# Altium PCB PCB_node1.PcbDoc
Units mil, origin at the board's own origin, x right, y up, seen from the top; angles counter-clockwise.
Board outline 6135 x 4075 mil, 2 copper layers (Top Layer, Bottom Layer); 44 components, 46 nets, 168 pads, 4 vias.
Unrouted connection lines stored in the file: 4.
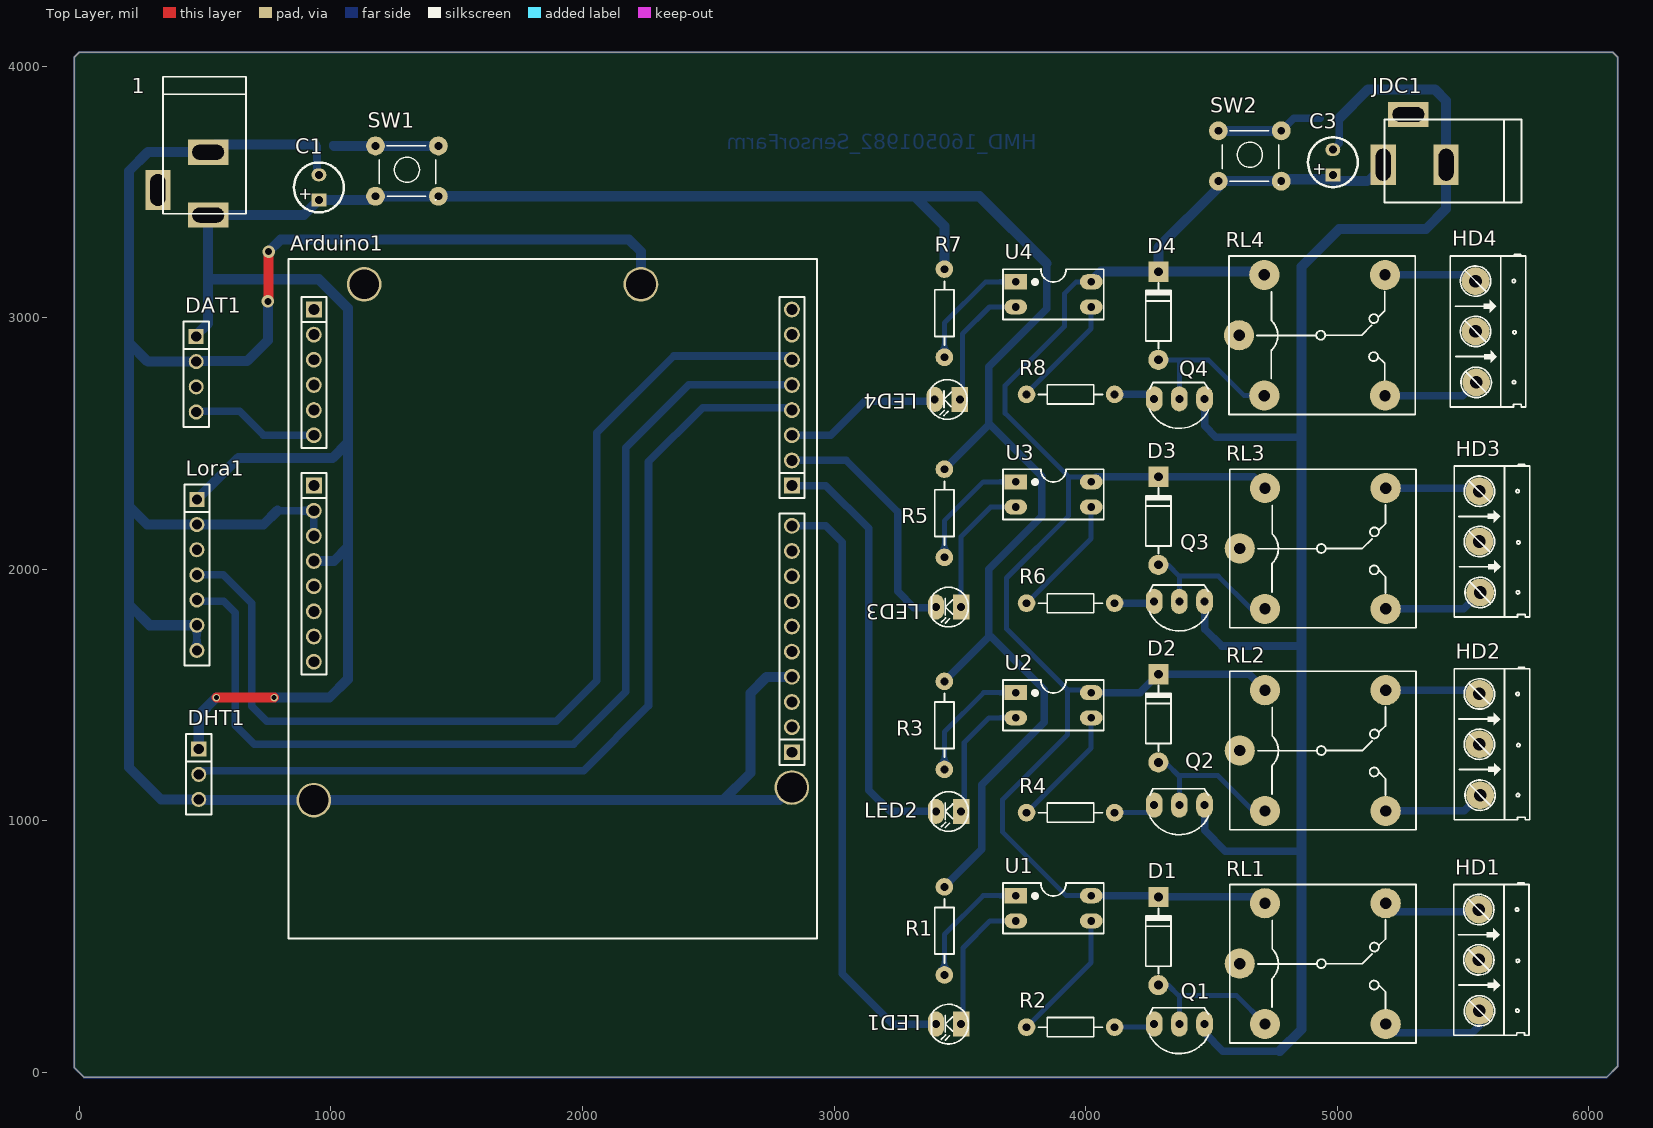
[diagram p0: Top Layer view]
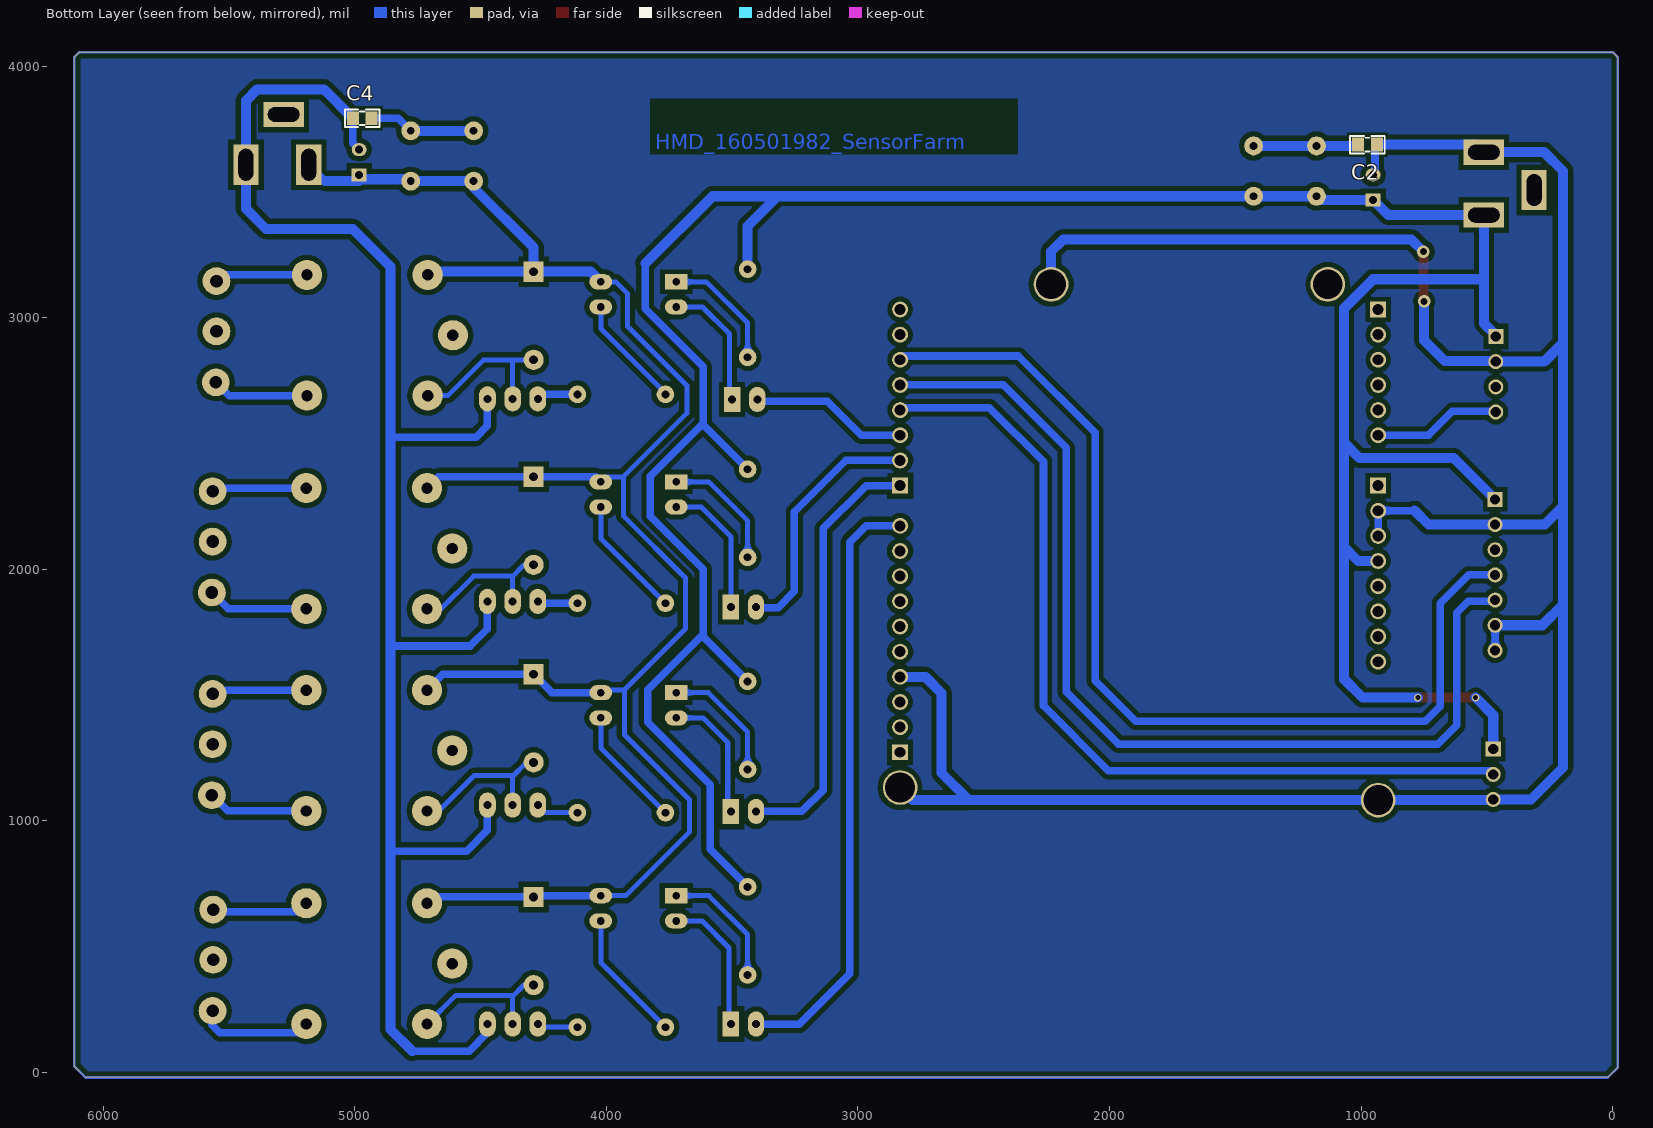
[diagram p1: Bottom Layer view, seen from below]

## Layer stack, top to bottom
Top Solder: solder mask 0.4, Solder Resist, Dk 3.5
Top Layer: signal copper 1.4
Dielectric 1: dielectric 12.6, FR-4, Dk 4.8
Bottom Layer: signal copper 1.4
Bottom Solder: solder mask 0.4, Solder Resist, Dk 3.5

## Board outline
20,-20 -20,20 -20,4035 0,4055 6095,4055 6115,4035 6115,25 6070,-20

## Design rules (kind name [scope] priority, off if disabled: settings)
Clearance [All] p1: gap=20 ignorepadtopadclearanceinfootprint=FALSE
PolygonConnect [All] p1: connectstyle=Relief reliefconductorwidth=10 reliefentries=4 polygonreliefangle="90 Angle" airgapwidth=10
RoutingVias [All] p1: holewidth=20 width=30 viastyle="Through Hole" minholewidth=15 minwidth=25 maxholewidth=28 maxwidth=50
SolderMaskExpansion [All] p1: expansion=4
Width [All] p1: maxlimit=40 minlimit=20 preferedwidth=30
30 further rules are at their usual default settings.

## Classes and differential pairs
component class node1: Arduino1 C2 C4 D1 D2 D3 D4 DAT1 DHT1 HD1 HD2 HD3 HD4 JDC JDC1 LED1 LED2 LED3 LED4 Lora1 Q1 Q2 Q3 Q4 R1 R2 R3 R5 R7 RL1 RL2 RL3 RL4 U1 U2 U3 U4

## Components (designator, comment, footprint, x,y, rotation, side; value= is the part's Value field where it differs from the comment)
1 "Jack 1" DC-IN 412.5,3532.5 r270 top
Arduino1 "Arduino Uno R3" "Arduino UNO R3" 1842.5,1857.5 r270 top value="Cau 1A"
C1 "Cap Pol 5mm" C5mm 952.5,3517.5 r90 top
C2 "106" "Tu 0805" 975.27,3687.63 r180 bottom
C3 "Cap Pol 5mm" C5mm 4982.5,3617.5 r90 top
C4 "106" "Tu 0805" 4969.93,3792.37 r0 bottom
D1 "1N4007" D1A 4289,347.5 r270 top
D2 "1N4007" D1A 4289,1232.5 r270 top
D3 "1N4007" D1A 4289,2017.5 r270 top
D4 "1N4007" D1A 4289,2832.5 r270 top
DAT1 "" JP4-C1T 465,2925 r270 top
DHT1 "" JP3-C1T 475,1285 r270 top
HD1 "Header 3" HED3 5562.5,647.5 r270 top
HD2 "Header 3" HED3 5564.88,1504.4 r270 top
HD3 "Header 3" HED3 5564.88,2310.12 r270 top
HD4 "Header 3" HED3 5549.5,3145.31 r270 top
JDC1 "Jack 2" DC-IN 5307.5,3707.5 r180 top
LED1 "LED" LED-3 3505,192.5 r180 top value="LED 3 ly Single Colour"
LED2 "LED" LED-3 3505,1037.5 r180 top value="LED 3 ly Single Colour"
LED3 "LED" LED-3 3505,1850 r180 top value="LED 3 ly Single Colour"
LED4 "LED" LED-3 3500,2675 r180 top value="LED 3 ly Single Colour"
Lora1 "" JP7-C1T 467.5,2277.5 r270 top
Q1 "C1815" QTO-92 4372.5,192.5 r180 top
Q2 "C1815" QTO-92 4372.5,1062.5 r180 top
Q3 "C1815" QTO-92 4372.5,1872.5 r180 top
Q4 "C1815" QTO-92 4372.5,2677.5 r180 top
R1 "Res1" R1/4W 3438.49,387.5 r90 top value=1K
R2 "Res1" R1/4W 4115,180 r180 top value=1K
R3 "Res1" R1/4W 3438.49,1204.4 r90 top value=1K
R4 "Res1" R1/4W 4115,1032.5 r180 top value=1K
R5 "Res1" R1/4W 3438.49,2047.5 r90 top value=1K
R6 "Res1" R1/4W 4115,1865 r180 top value=1K
R7 "Res1" R1/4W 3438.49,2842.5 r90 top value=1K
R8 "Res1" R1/4W 4115,2695 r180 top value=1K
RL1 "Relay 5V" RL_SPDT_10A 4612.5,432.5 r0 top value="Relay SPDT, 10A, 12V"
RL2 "Relay 5V" RL_SPDT_10A 4612.5,1279.4 r0 top value="Relay SPDT, 10A, 12V"
RL3 "Relay 5V" RL_SPDT_10A 4612.5,2082.5 r0 top value="Relay SPDT, 10A, 12V"
RL4 "Relay 5V" RL_SPDT_10A 4610,2930 r0 top value="Relay SPDT, 10A, 12V"
SW1 "SW" SW4 1177.5,3682.5 r0 top value="Button chip 4 pin"
SW2 "SW" SW4 4527.5,3742.5 r0 top value="Button chip 4 pin"
U1 "PC817" DIP4/W0.3 3722,702.5 r270 top
U2 "PC817" DIP4/W0.3 3722,1509.4 r270 top
U3 "PC817" DIP4/W0.3 3722,2347.5 r270 top
U4 "PC817" DIP4/W0.3 3722,3142.5 r270 top

## Footprints (in the part's own frame and the unit in brackets; to place one, negate y for a bottom-side part, rotate by r counter-clockwise, add the part's x,y. Pads: shape width x height; smd on the part's side, far side on the other; paste and mask are expansions set on the pad)
"Arduino UNO R3" [mm]
  round 1.6 hole 1.1: 0-RX(-29.845,25.146) 1-TX(-27.305,25.146) 2(-24.765,25.146) 3V3(-1.905,-23.114) 4(-19.685,25.146) 5V(-4.445,-23.114) 8(-8.001,25.146) 12(2.159,25.146) 13(4.699,25.146) A0(-17.145,-23.114) A1(-19.685,-23.114) A2(-22.225,-23.114) A3(-24.765,-23.114) A4(-27.305,-23.114) AREF(9.779,25.146) GND(-9.525,-23.114) GND(-6.985,-23.114) GND(7.239,25.146) IOREF(3.175,-23.114) NC(5.715,-23.114) RESET(0.635,-23.114) SDA(12.319,25.146) ~3(-22.225,25.146) ~5(-17.145,25.146) ~6(-14.605,25.146) ~9(-5.461,25.146) ~10(-2.921,25.146) ~11(-0.381,25.146)
  rect 1.6x1.6 hole 1.1: 7(-12.065,25.146) A5(-29.845,-23.114) SCL(14.859,25.146) Vin(-12.065,-23.114)
  round 3.5 hole 3: GND(-32.385,9.906) GND(18.415,25.146) GND(19.685,-23.114) ""(-32.385,-18.034)
  round 0 all layers, no hole: ""(-32.385,9.906) ""(18.415,25.146) ""(19.685,-23.114)
  oval 0x2 all layers, no hole: ""(-32.385,-18.034)
  silkscreen extent -34.93,-25.65 33.66,27.69, body extent -34.93,-25.65 40,27.69, height 15.28
C5mm [mm]
  rect 1.3x1.5 hole 0.8: 1(-1.27,0)
  oval 1.3x1.5 hole 0.8: 2(1.27,0)
  silkscreen extent -2.51,-2.51 2.51,2.51, body extent -2.5,-2.5 2.49,2.5, height 11.01
D1A [mil] "Diode 1A, W 100mil, L 350mil"
  round 80 hole 35: 1(0,0)
  rect 80x80 hole 35: 2(-350,0)
  silkscreen extent -305,-50 -45,50, body extent -386,-33 34,36, height 84
DC-IN [mil] "Jac DC input"
  rect 100x160 hole 59.06 slot 125.98 at 90 deg: 1(125,100) 2(-125,100)
  rect 160x100 hole 59.06 slot 125.98 at 0 deg: 3(25,-100)
  silkscreen extent -425,-80 120,250, body extent -410,-105 134,269, height 434
DIP4/W0.3 [mil] "4 PIN, W 300mil, Pin to pin 100mil"
  rect 60x90 hole 31: 1(0,0)
  oval 60x90 hole 31: 2(100,0) 3(100,300) 4(0,300)
  silkscreen extent -50,-50 150,350, body extent -59,-10 159,305, height 170
HED3 [mil] "Header 3, 3 pin, hight 300mil, Pin to Pin 200, Colour Green"
  round 110 hole 50: 1(0,0) 2(200,0) 3(402.62,2.62)
  silkscreen extent -106,-100 500,200
JP3-C1T [mm] "3 row, straight, gold plating"
  rect 1.52x1.52 hole 1.02: 1(0,0)
  round 1.52 hole 1.02: 2(2.54,0) 3(5.08,0)
  silkscreen extent -1.52,-1.27 6.6,1.27, body extent -1.52,-1.25 6.6,1.25, height 8.51
JP4-C1T [mm] "4 row, straight, gold plating"
  rect 1.52x1.52 hole 1.02: 1(0,0)
  round 1.52 hole 1.02: 2(2.54,0) 3(5.08,0) 4(7.62,0)
  silkscreen extent -1.52,-1.27 9.14,1.27, body extent -1.52,-1.25 9.14,1.25, height 8.51
JP7-C1T [mm] "7 row, straight, gold plating"
  rect 1.52x1.52 hole 1.02: 1(0,0)
  round 1.52 hole 1.02: 2(2.54,0) 3(5.08,0) 4(7.62,0) 5(10.16,0) 6(12.7,0) 7(15.24,0)
  silkscreen extent -1.52,-1.27 16.76,1.27, body extent -1.52,-1.25 16.76,1.25, height 8.51
LED-3 [mil] "LED 2 PIN, 3ly Only colour"
  rect 65x100 hole 32: 1(0,0)
  oval 65x100 hole 32: 2(100,0)
  silkscreen extent -29,-78 118,79, body extent -25,-75 113,75, height 217
QTO-92 [mil] "TO-92"
  oval 66x100 hole 32: 1(-100,0) 2(0,0) 3(100,0)
  silkscreen extent -117,-65 120,118, body extent -109,-66 109,95, height 245
R1/4W [mil] "R 1/4W, 2 Pin, 350mil"
  round 70 hole 31: 1(0,0) 2(350,0)
  silkscreen extent 48,-38 302,38, body extent -40,-47 386,47, height 111
RL_SPDT_10A [mil] "Relay SPDT, 5 pin, 10A,W 650mil, L 800mil, H 800mil"
  round 120 hole 45: 1(0,0) 2(580,240) 3(580,-240) 4(100,-240) 5(100,240)
  silkscreen extent -40,-315 700,315, body extent -46,-304 706,306, height 602
SW4 [mil] "SW button 4pin, 250 x250 mil"
  round 75 hole 31: 1(0,0) 2(250,-200) 3(250,0) 4(0,-200)
  silkscreen extent 15,-215 240,0, body extent -36,-220 276,24, height 276
"Tu 0805" [mm] "Compoment SMD 80x50mil"
  rect 1.2x1.4 smd: 1(-0.946,-0.003) 2(0.954,-0.003)
  silkscreen extent -1.75,-0.89 1.75,0.89, body extent -1.01,-0.64 1.01,0.63, height 0.61

## Part data
1 JDC1: library part Jac_DC, "C?m", Chung_Loai=C?m, Don_Vi=Con, Ma_Hang=MH000923, Ten_Linh_Kien="Jack DC5.5x2.1MM DC5501"
Arduino1: "Arduino UNO R3", ="Cau 5A"
C1 C3: "Polarized Capacitor (Axial)", LatestRevisionDate=17-Jul-2002, LatestRevisionNote="Re-released for DXP Platform.", PackageReference=POLAR0.8, Published=8-Jun-2000, Publisher="Altium Limited"
C2 C4: library part "Tu 0805 106 16V 10%", "D醤", Chung_Loai=D醤, Don_Vi=Con, Ma_Hang=MH004553, So_Chan=2, Ten_Linh_Kien="T? 0805 106-10uF 10% 16V"
D1 D2 D3 D4: library part D1A, "Diode 1A"
DAT1: library part JP4, "WR-PHD 2.54 mm Angled Socket Header", Manufacturer="Würth Elektronik eiSos GmbH", partNo=613004143121, ComponentLink1 Description=Manufacturer, ComponentLink1URL=http://www.we-online.com, ComponentLink2 Description=Datasheet, ComponentLink2URL=http://katalog.we-online.de/em/datasheet/6130xx143121.pdf, Created by="Karrer Zheng", Created Date="29 March 2013", NoPins=04
DHT1: library part JP3, "WR-PHD 2.54 mm Angled Socket Header", Manufacturer="Würth Elektronik eiSos GmbH", partNo=613003143121, ComponentLink1 Description=Manufacturer, ComponentLink1URL=http://www.we-online.com, ComponentLink2 Description=Datasheet, ComponentLink2URL=http://katalog.we-online.de/em/datasheet/6130xx143121.pdf, Created by="Karrer Zheng", Created Date="29 March 2013", NoPins=03
HD1 HD2 HD3 HD4: library part Hed3, "Header 3 (Green)"
LED1 LED2 LED3 LED4: "LED Single colour Green and Red"
Lora1: library part JP7, "WR-PHD 2.54 mm Angled Socket Header", Manufacturer="Würth Elektronik eiSos GmbH", partNo=613007143121, ComponentLink1 Description=Manufacturer, ComponentLink1URL=http://www.we-online.com, ComponentLink2 Description=Datasheet, ComponentLink2URL=http://katalog.we-online.de/em/datasheet/6130xx143121.pdf, Created by="Karrer Zheng", Created Date="29 March 2013", NoPins=07
Q1 Q2 Q3 Q4: "NPN 600mW, ECB", =C2383
R1 R2 R3 R4 R5 R6 R7 R8: library part Res1_1, "Resistor", Manufacturer="Generic Components", Class=Passive, Published=08/06/2000, Publisher="Altium Hobart Technology Centre", SubClass=Resistor
RL1 RL2 RL3 RL4: library part "Relay 1", "Relay SPDT,10A - 12VDC 5 Pin", ="Relay SPDT, 10A, 24V"
SW1 SW2: library part SW4, "Switch button 4 pin"
U1 U2 U3 U4: "Single Opto"

## Via types
v1: diameter 30, hole 20, Top Layer to Bottom Layer, 2 vias
v2: diameter 50, hole 28, Top Layer to Bottom Layer, 2 vias

## Nets (pads, with @x,y where several pads share a name; then routed paths per layer and width w, separated by ;. In a path a pad name is that pad's centre, name@x,y a point inside that pad or via, vN(x,y) a via of type N, cw(c..) or ccw(c..) an arc to the next point about the centre after c; other vN are vias at no path point)
5V: 1.1 Arduino1.5V C1.1 DAT1.1 DHT1.1 Lora1.1 R1.2 R3.2 R5.2 R7.2 SW1.2 SW1.4 | length 11539.3
  Top Layer w40: v1(545,1490) v1(775,1490)
  Bottom Layer w30: SW1.4@1162.5,3467.5 SW1.4 ; R1.2 3587.5,886.51 3587.5,1143.86 3835,1391.36 3835,1520.89 3624.85,1731.05 3615.14,1731.05 ; R3.2 3615.14,1731.05 ; R5.2 3615,2574.01 ; 3845,3215 3845,3035 3615,2805 3615,2574.01 ; 3615,2574.01 3619.99,2574.01 3825,2369 3825,2210 3615.14,2000.14 3615.14,1731.05
  Bottom Layer w40: DAT1.1@462.5,2927.5 512.5,2977.5 512.5,3152.5 ; Lora1.1 632.5,2442.5 1007.5,2442.5 1067.5,2502.5 ; DHT1.1 475,1420 v1(545,1490) ; v1(775,1490) 995,1490 1067.5,1562.5 1067.5,2087.5 ; Arduino1.5V 1012.5,2032.5 1067.5,2087.5 ; SW1.4@1162.5,3467.5 C1.1 892.5,3407.5 1.1 512.5,3152.5 ; SW1.4 SW1.2 3320,3482.5 ; R7.2 3438.49,3364.01 3320,3482.5 ; 3845,3215 3577.5,3482.5 3320,3482.5 ; 512.5,3152.5 952.5,3152.5 1067.5,3037.5 1067.5,2502.5 ; 1067.5,2087.5 1067.5,2502.5
5V_B: C3.1 D1.2 D2.2 D3.2 D4.2 JDC1.1 RL1.5 RL2.5 RL3.5 RL4.5 SW2.2 SW2.4 U1.4 U2.4 U3.4 U4.4 | length 7485.4
  Bottom Layer w20: 3927.5,1505 3927.5,1342.5 3670,1085 3670,955 3922.5,702.5 U1.4 ; 3927.5,1512.5 3927.5,1520.89 ; U2.4 4010.5,1520.89 3927.5,1520.89 ; U4.4 3962.5,3142.5 3915,3095 3915,2965 3680,2730 3680,2620 3932.5,2367.5 ; U3.4@4042,2367.5 U3.4 4002,2367.5 3932.5,2367.5 ; D1.2@4284,702.5 D1.2 ; D2.2@4289,1572.5 D2.2 ; 4667.5,2367.5 RL3.5 ; RL1.5@4678.57,672.5 RL1.5@4712.5,638.57 ; RL1.5@4687.5,697.5 RL1.5 ; 3927.5,1520.89 3685,1763.39 3685,1965 3932.5,2212.5 3932.5,2367.5
  Bottom Layer w30: U1.4 D1.2@4284,702.5 ; U2.4 4215.9,1509.4 D2.2 4649.4,1582.5 RL2.5 ; U3.4@4042,2367.5 D3.2 4667.5,2367.5 ; D1.2 RL1.5@4687.5,697.5 ; SW2.2 SW2.2@4785,3550 ; 5117.5,3542.5 JDC1.1
  Bottom Layer w40: U4.4 4062,3182.5 D4.2 ; SW2.4@4527.5,3517.5 4289,3279 D4.2 ; SW2.4 SW2.2 ; RL4.5 4697.5,3182.5 D4.2 ; SW2.2@4785,3550 4965,3550 C3.1 ; C3.1@4982.5,3542.5 5117.5,3542.5
GND: 1.2 Arduino1.GND C1.2 C2.2 DAT1.2 DHT1.3 Lora1.2 Lora1.6 Lora1.7 | length 10571.5
  Top Layer w20: v2@750,3260 v2(752.5,3262.5)
  Top Layer w40: v2(750,3065) 752.5,3067.5 v2(752.5,3262.5)
  Bottom Layer w20: DHT1.3 DHT1.3@477.5,1082.5
  Bottom Layer w30: Lora1.7 Lora1.6 ; 1.2 1.2@542.5,3687.5 ; v2@750,3265 v2(752.5,3262.5) ; 787.5,2232.5 932.5,2232.5 Arduino1.GND@932.5,2132.5 ; C2.2 945,3680.2 945,3575 C1.2 ; 2782.5,1082.5 Arduino1.GND@2832.5,1132.5
  Bottom Layer w40: Lora1.6 280,1777.5 197.5,1860 ; DHT1.3 325,1085 197.5,1212.5 197.5,1860 ; DHT1.3@477.5,1082.5 932.5,1082.5 2560,1082.5 ; 1.2 272.5,3657.5 197.5,3582.5 197.5,2900 ; 1.2@542.5,3687.5 C2.2 ; v2(750,3065) 750,2910 667.5,2827.5 467.5,2827.5 DAT1.2 272.5,2825 197.5,2900 ; v2(752.5,3262.5) 800,3310 2185,3310 2232.5,3262.5 Arduino1.GND@2232.5,3132.5 ; 787.5,2232.5 732.5,2177.5 Lora1.2 270,2177.5 197.5,2250 ; 2782.5,1082.5 2670,1082.5 2560,1082.5 ; Arduino1.GND@2832.5,1572.5 2732.5,1572.5 2667.5,1507.5 2667.5,1190 2560,1082.5 ; 197.5,1860 197.5,2250 ; 197.5,2250 197.5,2900
GND_B: C3.2 C4.2 JDC1.2 Q1.1 Q2.1 Q3.1 Q4.1 | length 6809.6
  Bottom Layer w20: Q4.1 Q4.1@4484.78,2677.5
  Bottom Layer w30: Q1.1 4472.5,157.5 4545,85 4771.43,85 ; Q2.1 4472.5,962.5 4555,880 4857.5,880 ; Q3.1 4472.5,1762.5 4540,1695 4857.5,1695 ; Q4.1 4472.5,2570 4517.5,2525 4857.5,2525 ; C3.2 5007.5,3692.5 C4.2
  Bottom Layer w40: 4771.43,85 4857.5,171.07 4857.5,880 4857.5,1695 4857.5,2525 4857.5,3202.5 5007.5,3352.5 5352.5,3352.5 5432.5,3432.5 JDC1.2 5432.5,3862.5 5387.5,3907.5 5122.5,3907.5 C4.2
"GPIO 5": Arduino1.~5 LED4.2 | length 610.9
  Bottom Layer w30: Arduino1.~5 2987.5,2532.5 3122.5,2667.5 LED4.2@3387.5,2667.5
"GPIO 6": Arduino1.~6 LED3.2 | length 986.8
  Bottom Layer w30: Arduino1.~6 3047.5,2432.5 3252.5,2227.5 3252.5,1912.5 3317.5,1847.5 LED3.2@3392.5,1847.5
"GPIO 7": Arduino1.7 LED2.2 | length 1725.6
  Bottom Layer w20: LED2.2 LED2.2@3412.5,1037.5
  Bottom Layer w30: Arduino1.7 2967.5,2332.5 3137.5,2162.5 3137.5,1122.5 3222.5,1037.5 LED2.2
"GPIO 8": Arduino1.8 LED1.2 | length 2384.8
  Bottom Layer w30: Arduino1.8 2967.5,2172.5 3032.5,2107.5 3032.5,1747.5 3032.5,392.5 3232.5,192.5 LED1.2@3392.5,192.5
NetArduino1_2: Arduino1.2 Lora1.4 | length 4031.3
  Bottom Layer w20: Arduino1.2@2817.5,2847.5 Arduino1.2
  Bottom Layer w30: Lora1.4 572.5,1977.5 685,1865 685,1455 745,1395 1895,1395 2057.5,1557.5 2057.5,2542.5 2362.5,2847.5 Arduino1.2@2817.5,2847.5
NetArduino1_4: Arduino1.4 DHT1.2 | length 3533.6
  Bottom Layer w20: Arduino1.4@2822.5,2642.5 Arduino1.4
  Bottom Layer w30: DHT1.2 490,1200 2005,1200 2262.5,1457.5 2262.5,2427.5 2477.5,2642.5 Arduino1.4@2822.5,2642.5
NetArduino1_A0: Arduino1.A0 DAT1.4 | length 509.4
  Bottom Layer w30: DAT1.4@462.5,2627.5 637.5,2627.5 732.5,2532.5 Arduino1.A0
NetArduino1_~3: Arduino1.~3 Lora1.5 | length 4024.3
  Bottom Layer w20: Lora1.5 Lora1.5@472.5,1872.5
  Bottom Layer w30: Lora1.5@472.5,1872.5 575,1872.5 620,1827.5 620,1380 695.6,1304.4 1964.4,1304.4 2172.5,1512.5 2172.5,2482.5 2422.5,2732.5 Arduino1.~3
NetC2_1: C2.1 SW1.1 SW1.3 | length 427.1
  Bottom Layer w20: C2.1@1007.5,3687.5 C2.1
  Bottom Layer w30: C2.1@1007.5,3687.5 C2.1@1012.5,3682.5
  Bottom Layer w40: C2.1@1012.5,3682.5 SW1.1 SW1.3
NetC4_1: C4.1 SW2.1 SW2.3 | length 425.9
  Bottom Layer w30: SW2.3 4827.5,3792.5 C4.1
  Bottom Layer w40: SW2.1 SW2.3
NetD1_1: D1.1 Q1.2 RL1.4 | length 599.8
  Bottom Layer w20: D1.1 4327.5,347.5 4372.5,302.5 ; Q1.2 4372.5,302.5 ; RL1.4 4600,305 4375,305 4372.5,302.5
NetD2_1: D2.1 Q2.2 RL2.4 | length 621
  Bottom Layer w20: D2.1 4296.5,1225 4324,1225 4369,1180 4372.5,1180 ; Q2.2 4372.5,1068.6 4372.5,1180 ; RL2.4 4665.6,1039.4 4525,1180 4372.5,1180
NetD3_1: D3.1 Q3.2 RL3.4 | length 586
  Bottom Layer w20: D3.1 4327.5,2017.5 4372.5,1972.5 4527.5,1972.5 4657.5,1842.5 RL3.4 ; Q3.2 4372.5,1962.5
NetD4_1: D4.1 Q4.2 RL4.4 | length 636.1
  Bottom Layer w20: D4.1 4375,2832.5 ; Q4.2 4372.5,2830 4375,2832.5 ; RL4.4 4630,2690 4487.5,2832.5 4375,2832.5
NetHD1_1: HD1.1 RL1.2 | length 326.3
  Bottom Layer w30: RL1.2@5192.5,638.57 HD1.1@5518.81,638.57
NetHD1_2: HD1.2 RL1.1
NetHD1_3: HD1.3 RL1.3 | length 388
  Bottom Layer w30: RL1.3@5192.5,158.57 5536.19,158.57 5567.5,189.88
NetHD2_1: HD2.1 RL2.2 | length 378.6
  Bottom Layer w20: HD2.1@5549.88,1519.4 HD2.1
  Bottom Layer w30: RL2.2 HD2.1@5549.88,1519.4
NetHD2_2: HD2.2 RL2.1
NetHD2_3: HD2.3 RL2.3 | length 400.8
  Bottom Layer w30: RL2.3 5505.12,1039.4 HD2.3
NetHD3_1: HD3.1 RL3.2 | length 377.5
  Bottom Layer w20: HD3.1@5552.5,2322.5 HD3.1
  Bottom Layer w30: RL3.2 HD3.1@5552.5,2322.5
NetHD3_2: HD3.2 RL3.1
NetHD3_3: HD3.3 RL3.3 | length 401.9
  Bottom Layer w30: RL3.3 5502.5,1842.5 HD3.3
NetHD4_1: HD4.1 RL4.2 | length 369.7
  Bottom Layer w20: HD4.1@5524.81,3170 HD4.1
  Bottom Layer w30: RL4.2 HD4.1@5524.81,3170
NetHD4_2: HD4.2 RL4.1
NetHD4_3: HD4.3 RL4.3 | length 383.9
  Bottom Layer w30: RL4.3 5499.43,2690 HD4.3
NetLED1_1: LED1.1 U1.2 | length 564.8
  Bottom Layer w20: LED1.1@3492.5,192.5 3512.5,212.5 3512.5,495 3620,602.5 U1.2
NetLED2_1: LED2.1 U2.2 | length 521
  Bottom Layer w20: LED2.1@3512.5,1037.5 3517.5,1042.5 3517.5,1311.29 3615.6,1409.4 U2.2
NetLED3_1: LED3.1 U3.2 | length 545.7
  Bottom Layer w20: LED3.1 3505,2130 3622.5,2247.5 U3.2
NetLED4_1: LED4.1 U4.2 | length 516.5
  Bottom Layer w20: LED4.1@3510,2675 3510,2935 3617.5,3042.5 U4.2
NetQ1_3: Q1.3 R2.1 | length 162.7
  Bottom Layer w20: R2.1 4260,180 Q1.3
NetQ2_3: Q2.3 R4.1 | length 169.9
  Bottom Layer w20: R4.1 4242.5,1032.5 Q2.3
NetQ3_3: Q3.3 R6.1 | length 160.6
  Bottom Layer w20: Q3.3@4265,1865 Q3.3
  Bottom Layer w30: R6.1 Q3.3@4265,1865
NetQ4_3: Q4.3 R8.1 | length 193
  Bottom Layer w20: Q4.3@4252.5,2657.5 Q4.3 Q4.3@4255,2695
  Bottom Layer w30: R8.1 Q4.3@4255,2695
NetR1_1: R1.1 U1.1 | length 508.3
  Bottom Layer w20: R1.1 3438.49,548.49 3592.5,702.5 U1.1
NetR2_2: R2.2 U1.3 | length 529
  Bottom Layer w20: R2.2 4022,437 U1.3
NetR3_1: R3.1 U2.1 | length 497.2
  Bottom Layer w20: R3.1 3438.49,1353.49 3594.4,1509.4 U2.1
NetR4_2: R4.2 U2.3 | length 483.3
  Bottom Layer w20: R4.2 4022,1289.5 U2.3
NetR5_1: R5.1 U3.1 | length 492.7
  Bottom Layer w20: R5.1 3438.49,2192.5 3593.49,2347.5 U3.1
NetR6_2: R6.2 U3.3 | length 489
  Bottom Layer w20: R6.2 4022,2122 U3.3
NetR7_1: R7.1 U4.1 | length 487.4
  Bottom Layer w20: R7.1 3438.49,2978.49 3602.5,3142.5 U4.1
NetR8_2: R8.2 U4.3 | length 454
  Bottom Layer w20: R8.2 3765,2700 4022,2957 U4.3
pads on no net: 1.3 Arduino1. Arduino1.0-RX Arduino1.1-TX Arduino1.3V3 Arduino1.12 Arduino1.13 Arduino1.A1 Arduino1.A2 Arduino1.A3 Arduino1.A4 Arduino1.A5 Arduino1.AREF Arduino1.IOREF Arduino1.NC Arduino1.RESET Arduino1.SCL Arduino1.SDA Arduino1.Vin Arduino1.~9 Arduino1.~10 Arduino1.~11 DAT1.3 JDC1.3 Lora1.3
copper on no net: | length 20346.8
  Bottom Layer w10: -20,20 -20,4035 0,4055 6095,4055 6115,4035 6115,25 6070,-20 20,-20 -20,20

## Polygon pours and split planes (outlines as drawn)
no net on Bottom Layer (solid, pour order 8): -20,4035 -20,20 20,-20 6070,-20 6115,25 6115,4035 6095,4055 0,4055

## Other copper
Bottom Layer:
  text "HMD_160501982_SensorFarm" at 3805,3670 h60

## Text inside footprints (layer, text, board x,y; h text height)
C1: Top Overlay "+" at 919.5,3462.5 h47.24 r90
C3: Top Overlay "+" at 4949.5,3562.5 h47.24 r90